# Altium PCB MCU063B_PCB.PcbDoc (part 7 of 9)
Units mil, origin at the board's own origin, x right, y up, seen from the top; angles counter-clockwise.
Board outline 4165.01 x 2371.03 mil, 10 copper layers (Top Layer, Internal Plane 2, Signal Layer 3, Signal Layer 4, Internal Plane 5, Internal Plane 6, Signal Layer 7, Signal Layer 8, Internal Plane 9, Bottom), stack 59.9 mil thick; 440 components, 394 nets, 1760 pads, 1251 vias.
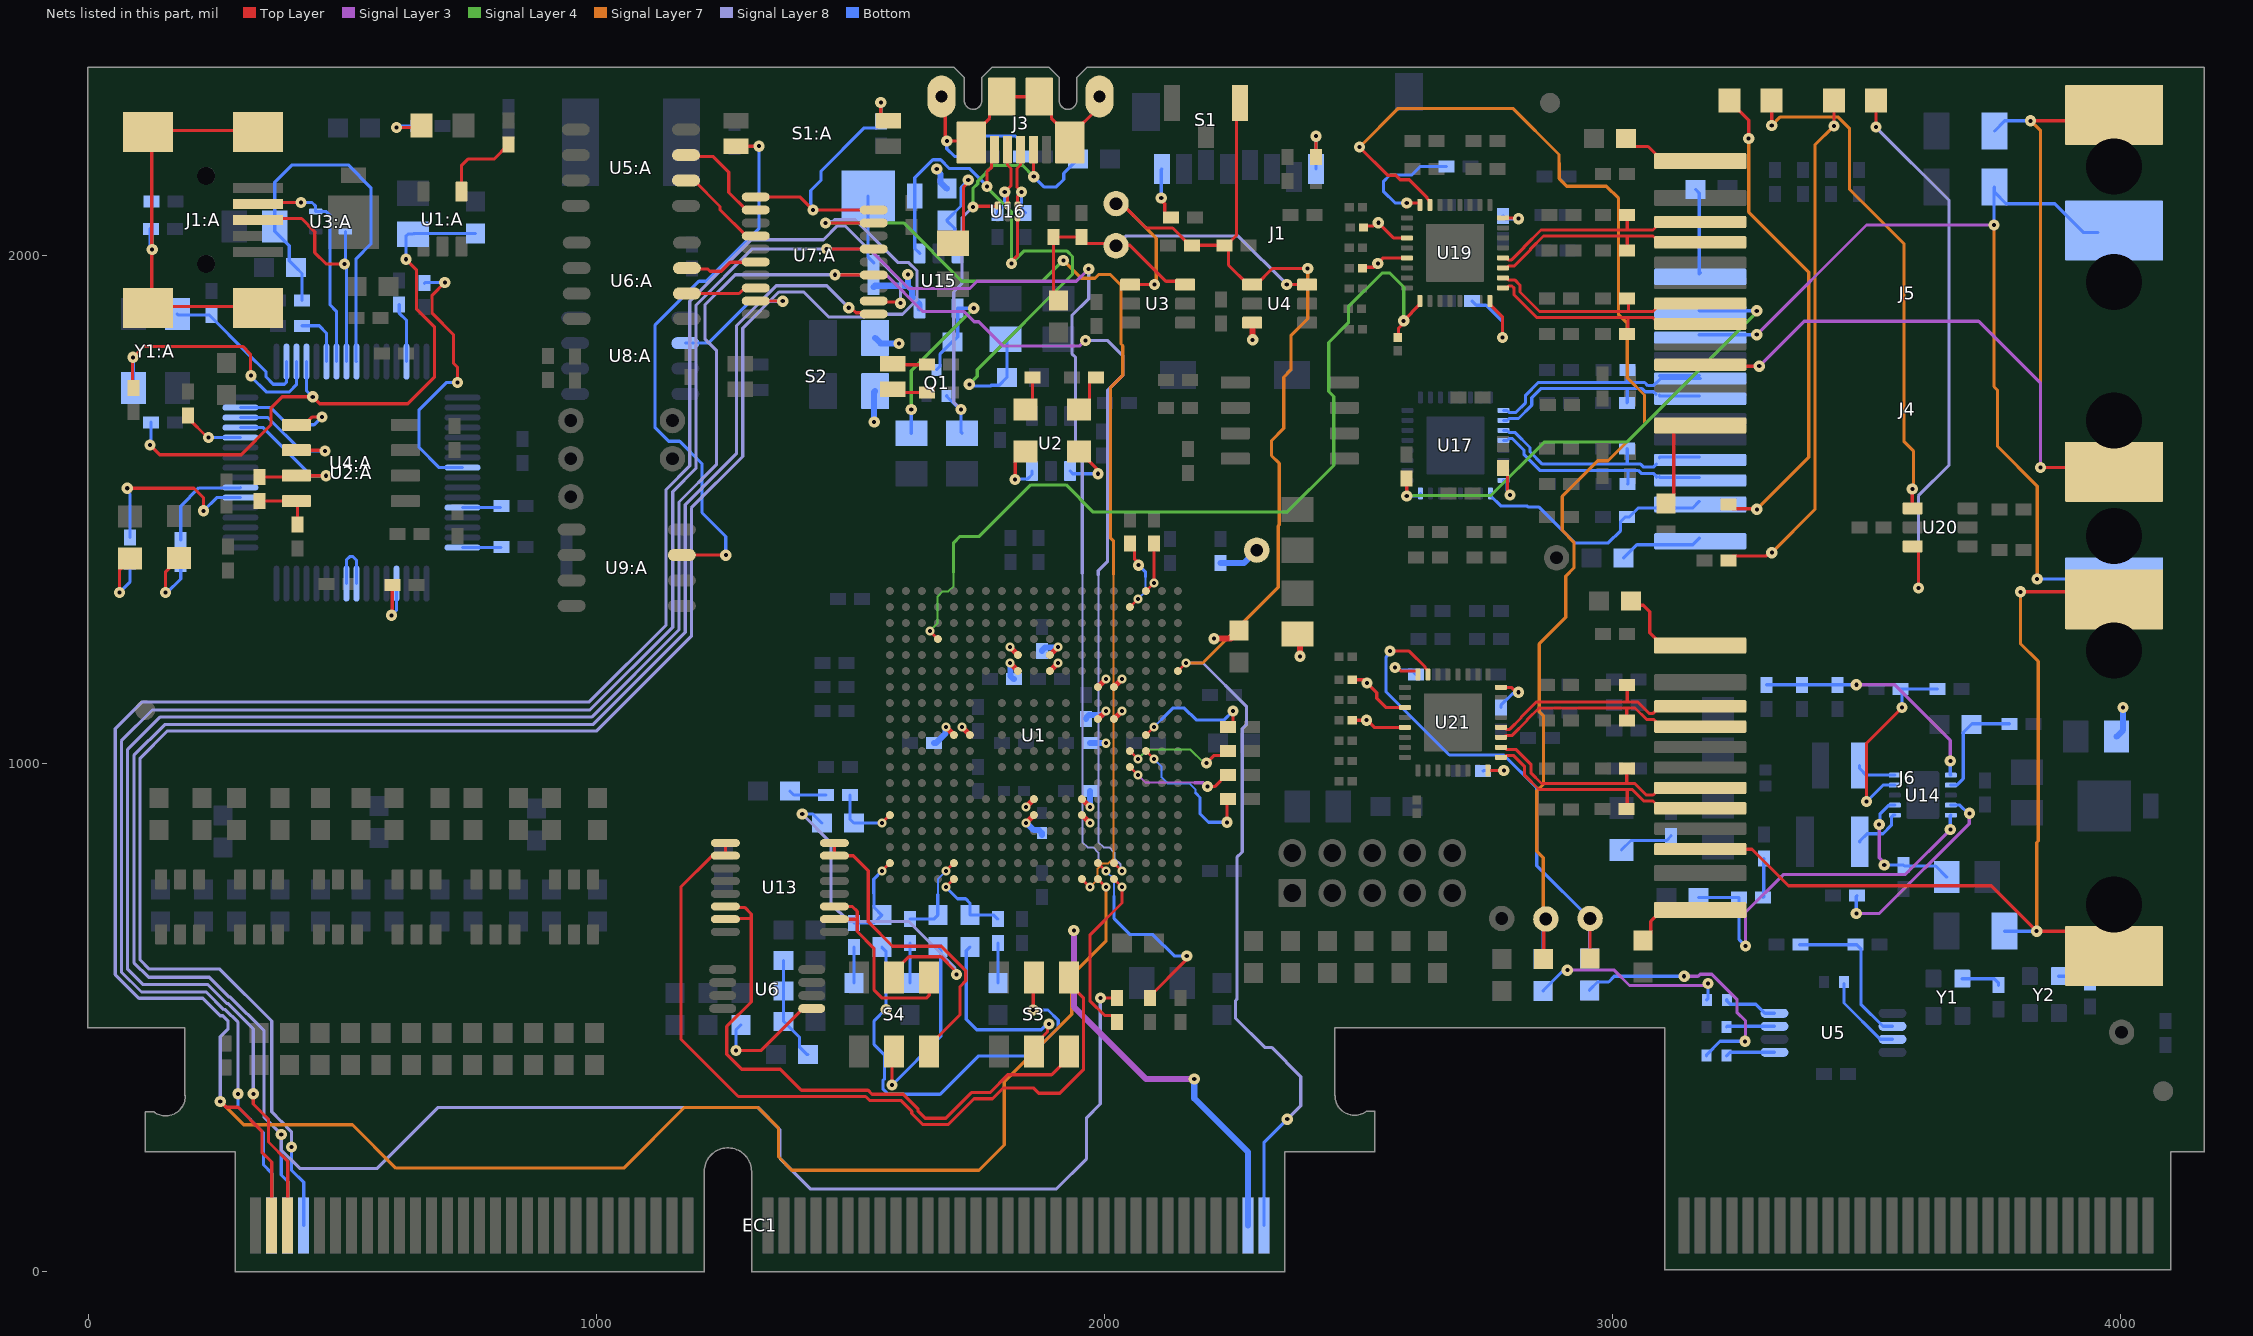
[diagram p15: the nets of this part, all layers, seen from the top]

## Via types
v1: diameter 22, hole 8, Top Layer to Bottom, tented both sides, 895 vias
v2: diameter 18, hole 8, Top Layer to Bottom, tented both sides, 334 vias
v3: diameter 19.68, hole 7.87, Top Layer to Bottom, tented both sides, 19 vias
v4: diameter 18, hole 7.87, Top Layer to Bottom, tented both sides, 1 vias
v5: diameter 18/18/18/18/18/18 (per signal layer), hole 8, Top Layer to Bottom, tented both sides, 1 vias
v6: diameter 22/22/22/22/22/22 (per signal layer), hole 8, Top Layer to Bottom, tented both sides, 1 vias

## Nets (pads, with @x,y where several pads share a name; then routed paths per layer and width w, separated by ;. In a path a pad name is that pad's centre, name@x,y a point inside that pad or via, vN(x,y) a via of type N, cw(c..) or ccw(c..) an arc to the next point about the centre after c; other vN are vias at no path point) (continued)
MCU_GPIO168: R135.2 U1.D4 U19.1 | length 1714.3
  Top Layer w6.25: v2(1656.7,1260.82) U1.D4@1672.44,1245.08 ; R135.2@2577.21,1838.3 2578.89,1839.99 2578.89,1856.73 2589.21,1867.05 2589.21,1871.72 2621.11,1903.62 U19.1@2621.11,1910.51
  Signal Layer 4 w4: v2(1656.7,1260.82) 1671.7,1275.82 1671.7,1328.53 1682.08,1338.92 1693.01,1338.92 1703.4,1349.31 1703.4,1376.04
  Signal Layer 4 w6.25: 1703.4,1376.04 1703.4,1434.4 1716,1447 1753.98,1447 1855.41,1548.44 1924.71,1548.44 1978.21,1494.94 2139.23,1494.94 2139.48,1495.19 2360.04,1495.19 2451.38,1586.53 2451.38,1722.37 2441.63,1732.12 2441.63,1828.57 2480.38,1867.32 2480.38,1899.12 2546.7,1965.44 2561.71,1965.44 2589.21,1937.94 v1(2589.21,1871.31)
MCU_TCK: EC1.5 U1.V15 U7:A.14 | length 5087.4
  Top Layer w6.25: v1(325.01,350) 325.01,330 355.01,300 355.01,255 392.72,217.29 EC1.5@392.72,91 ; v1(1470.01,1962) 1470.2,1961.81 1545.96,1961.81 U7:A.14@1546.15,1961.61 ; U1.V15@2018.9,804.13 v2(2034.65,788.38)
  Signal Layer 3 w6.25: v1(1470.01,1962) 1570.56,1962 1643.13,1889.44 1723.94,1889.44 1743.94,1869.44 1752.71,1869.44 1800.28,1821.88 1951.77,1821.88 1963.21,1833.31 v1(1963.21,1832.31)
  Signal Layer 8 w4: 1988.15,1371 1988.15,845.16 1998.43,834.88 2009.36,834.88 2019.65,824.6 2019.65,813.67 2031.97,801.34 2031.97,791.06 v2(2034.65,788.38)
  Signal Layer 8 w6.25: v1(325.01,350) 325.01,477.79 274.86,527.94 272.26,527.94 234.88,565.31 107.21,565.31 77.71,594.81 77.71,1027.81 141.21,1091.31 990.88,1091.31 1162.83,1263.26 1162.83,1514.68 1236.91,1588.76 1236.91,1812.73 1213.88,1835.76 1213.88,1902.51 1273.38,1962 v1(1470.01,1962) ; v1(1963.21,1832.31) 2006.84,1832.31 2036.33,1802.82 2036.33,1763.96 2005.96,1733.58 2005.96,1397.06 1988.15,1379.26 1988.15,1371
MCU_TDI: EC1.8 U1.W13 U7:A.18 | length 5675.2
  Top Layer w6.25: v1(1450.99,2063.98) U7:A.18@1546.15,2063.98 ; U1.W13@1955.91,772.63 v2(1971.66,756.89)
  Signal Layer 4 w6.25: v1(1450.99,2063.98) 1604.91,2063.98 1719.7,1949.19 1878.08,1949.19 v1(1919.21,1990.31)
  Signal Layer 7 w4: v2(1971.66,756.89) 1986.66,771.89 1986.66,793.1 1996.94,803.38 2007.87,803.38 2018.15,813.67 2018.15,1372
  Signal Layer 7 w6.25: v1(1919.21,1990.31) 1954.33,1955.19 1981.53,1955.19 1988.78,1962.44 2011.71,1962.44 2032.75,1941.4 2032.75,1825.63 2036.33,1822.05 2036.33,1763.96 2011.88,1739.51 2011.88,1444 2018.15,1437.73 2018.15,1372
  Signal Layer 8 w6.25: v1(400.01,245) 400.01,275.63 379.73,295.91 379.61,295.91 361.21,314.31 361.21,493.31 259.21,595.31 120.21,595.31 102.21,613.31 102.21,1010.31 156.21,1064.31 1001.21,1064.31 1187.33,1250.44 1187.33,1503.2 1288.38,1604.25 1288.38,1857.01 1359.5,1928.13 1408.25,1928.13 1457.5,1878.88 1527.51,1878.88 1532.76,1884.13 1602.77,1884.13 1631.33,1912.69 1631.33,1969.82 1615.28,1985.88 1594.5,1985.88 1510,2070.38 1469.43,2070.38 1466.04,2066.99 1454,2066.99 v1(1450.99,2063.98)
  Bottom w6.25: v1@400.01,250 v1(400.01,245) 400.01,200 424.22,175.79 EC1.8@424.22,91
MCU_TDO: EC1.6 R15.1 U7:A.11 | length 5443.5
  Top Layer w6.25: v1(1497.01,1897) 1501.27,1897 1511.24,1887.04 1543.96,1887.04 U7:A.11@1546.15,1884.84 ; v1(1992.21,538.31) 2024.7,538.31 R15.1@2025.01,538.62
  Signal Layer 8 w6.25: v1(1497.01,1897) 1453.63,1940.38 1354.43,1940.38 1276.13,1862.08 1276.13,1610.66 1175.08,1509.61 1175.08,1258.19 993.46,1076.56 150.46,1076.56 89.96,1016.06 89.96,608.24 118.88,579.31 238.21,579.31 277.33,540.19 279.94,540.19 346.21,473.92 346.21,303.8 v1(380.01,270) 380.01,239.37 416.29,203.08 568.83,203.08 688.87,323.13 1317.52,323.13 1361.92,278.72 1361.92,222.49 1422.1,162.31 1904.92,162.31 1965.1,222.49 1965.1,303.09 1991.83,329.82 1991.83,537.94 v1(1992.21,538.31)
  Bottom w6.25: v1(380.01,270) 380.01,253.59 379.88,253.46 379.88,190.13 392.72,177.29 EC1.6@392.72,91
MCU_TMS: EC1.3 U1.W14 U7:A.12 | length 6016.4
  Top Layer w6.25: v1(260.01,335) 271.59,323.42 295.01,323.42 341.98,276.45 341.98,235 361.23,215.75 EC1.3@361.23,91 ; U7:A.12@1546.15,1910.43 1548.35,1908.24 1596.77,1908.24 v1(1599.01,1906) ; U1.W14@1987.4,772.63 v2(2003.15,756.89)
  Signal Layer 7 w6.25: v1(260.01,335) 305.88,289.12 520.25,289.12 605.69,203.69 1054.33,203.69 1173.77,323.13 1317.52,323.13 1358.81,281.83 1358.81,225.6 1384.79,199.63 1753.26,199.63 1802.87,249.23 1802.87,373.34 1935.91,506.39 1935.91,583 2003.15,650.24 v2(2003.15,756.89)
  Signal Layer 8 w6.25: v1(260.01,335) 260.01,462.48 275.33,477.8 275.33,492.82 264.71,503.44 260.08,503.44 225.46,538.06 99.81,538.06 53.21,584.66 53.21,1068.31 106.21,1121.31 986.23,1121.31 1137.21,1272.28 1137.21,1538.94 1184.13,1585.87 1184.13,1909.89 1305.17,2030.92 1447.3,2030.92 1474.5,2058.13 1489.52,2058.13 1599.01,1948.63 v1(1599.01,1906)
MCU_TRSTn: EC1.4 R16.2 U1.V14 U7:A.16 | length 5584.3
  Top Layer w6.25: v1(1453.21,2012.8) U7:A.16@1546.15,2012.8 ; U1.V14@1987.4,804.13 v2(2003.15,788.38) ; R16.2@2090.01,538.62 2090.01,542.56 2159.19,611.74 2159.19,618.3 v1(2162.21,621.31)
  Signal Layer 3 w6.25: v1(1453.21,2012.8) 1537.09,2012.8 1615.01,1934.88 1735.14,1934.88 1749.45,1949.19 1945.08,1949.19 v1(1969.21,1973.31)
  Signal Layer 8 w4: 1956.66,1373.86 1956.66,845.16 1966.94,834.88 1977.87,834.88 1988.15,824.6 1988.15,803.38 v2(2003.15,788.38)
  Signal Layer 8 w6.25: v1(295.01,350) 295.01,490.47 269.79,515.69 267.18,515.69 232.56,550.31 104.88,550.31 65.46,589.74 65.46,1044.56 126.21,1105.31 987.56,1105.31 1150.58,1268.34 1150.58,1534.99 1196.38,1580.79 1196.38,1902.33 1306.85,2012.8 v1(1453.21,2012.8) ; 1956.66,1373.86 1956.66,1617.48 1943.16,1630.98 1943.16,1799.81 1936.07,1806.89 1936.07,1881.69 1969.21,1914.82 v1(1969.21,1973.31)
  Bottom w4: v2(2003.15,788.38) 2019.21,772.33 2019.21,739.31
  Bottom w6.25: v1(295.01,350) 295.01,323.42 345.01,273.42 345.01,210 361.23,193.78 EC1.4@361.23,91 ; 2019.21,739.31 2019.21,694.79 2050.74,663.26 2095.26,663.26 2137.21,621.31 v1(2162.21,621.31)
MCU_XRSn: C3.1 EC1.120 R20.1 S1.1 TP2.1 U1.F19 U3.1 U4.1 | length 3201.7
  Top Layer w6.25: TP2.1@2034,2102 2081.94,2054.06 2134.25,2054.06 2168.32,2020 C3.1@2172.25,2020 R20.1@2236.39,2020 ; U3.1@2050.88,1942.4 2051.47,1943 v1(2099.01,1943) ; U1.F19@2144.88,1182.08 v2(2160.63,1197.83) ; S1.1@2266.94,2300 2260.13,2293.2 2260.13,2039.81 2240.32,2020 R20.1@2236.39,2020 ; v1(2400.21,1974.31) 2330.66,1974.31 2298.75,1942.4 U4.1@2290.88,1942.4 2283,1942.4 2244.33,1981.08 2244.33,2012.06 R20.1@2236.39,2020
  Signal Layer 7 w6.25: TP2.1@2034,2102 2102.13,2033.87 2102.13,1950.39 2099.01,1947.26 v1(2099.01,1943) ; v2(2160.63,1197.83) 2193.47,1197.83 2342.38,1346.74 2342.38,1467.81 2344.33,1469.75 2344.33,1590.82 2329.08,1606.07 2329.08,1635.55 2353.08,1659.55 2353.08,1760.57 2367.21,1774.69 2367.21,1842.31 2400.21,1875.31 v1(2400.21,1974.31)
  Signal Layer 8 w6.25: v2(2160.63,1197.83) 2194.17,1197.83 2280,1112 2280,1077 2271.58,1068.58 2271.58,825.97 2260.88,815.28 2260.88,535.83 2258.08,533.03 2258.08,498.8 2315.54,441.35 2329.13,441.35 2386.58,383.89 2386.58,326.57 v1(2360.01,300)
  Bottom w6.25: EC1.120@2313.98,91 2313.98,253.97 v1(2360.01,300)
MID_SCI-RX: S1:A.2 U9:A.7 | length 1100.1
  Top Layer w6.25: U9:A.7@1168.51,1410.32 1168.67,1410.16 1254.85,1410.16 v1(1255.01,1410) ; S1:A.2@1275.01,2215 v1(1320.01,2215)
  Bottom w6.25: v1(1255.01,1410) 1255.01,1446.88 1208.07,1493.82 1208.07,1590.2 1164.14,1634.13 1142.62,1634.13 1115.88,1660.87 1115.88,1863.21 1201.93,1949.26 1216.79,1949.26 1320.01,2052.48 v1(1320.01,2215)
MID_TCK: U6:A.7 U7:A.6 | length 145.5
  Top Layer w6.25: U6:A.7@1178.51,1975 1180.16,1973.35 1219.35,1973.35 1223.89,1968.81 1246.04,1968.81 1263.91,1986.69 1313.35,1986.69 U7:A.6@1313.87,1987.2
MID_TDI: U5:A.7 U7:A.2 | length 205.3
  Top Layer w6.25: U5:A.7@1176.68,2197.63 1179.29,2195.02 1229.62,2195.02 1260.92,2163.73 1260.92,2123.82 1295.17,2089.57 U7:A.2@1313.87,2089.57
MID_TDO: U7:A.9 U8:A.2 | length 279.2
  Top Layer w6.25: U7:A.9@1313.87,1910.43 1314.08,1910.22 1366.79,1910.22 v1(1367.01,1910)
  Bottom w6.25: U8:A.2@1175.34,1827.37 1220.74,1827.37 1303.38,1910 v1(1367.01,1910)
MID_TMS: U6:A.6 U7:A.8 | length 139.9
  Top Layer w6.25: U6:A.6@1178.51,1925 1178.63,1925.13 1281.17,1925.13 1292.06,1936.02 U7:A.8@1313.87,1936.02
MID_TRSTn: U5:A.6 U7:A.4 | length 187.4
  Top Layer w6.25: U5:A.6@1175.47,2147.63 1192.37,2147.63 1243.6,2096.41 1243.6,2089.96 1295.17,2038.39 U7:A.4@1313.87,2038.39
NetC4:A_2: C4:A.2 U1:A.4 | length 160.7
  Top Layer w6.2: U1:A.4@734.56,2125.74 734.56,2176.85 747.37,2189.67 798.84,2189.67 C4:A.2@827.16,2217.99
NetC5_1: C5.1 R26.1 R28.1 TP3.1 U3.6 U4.6 | length 853.1
  Top Layer w6.25: R28.1@1910.01,1911.5 1900.01,1921.5 R26.1@1900.01,2036.38 C5.1@1955.01,2036.38 1955.01,2032.44 1963.7,2023.76 2011.25,2023.76 2015.01,2020 2050.26,2020 2121.18,1949.08 2152.47,1949.08 U3.6@2159.14,1942.4 ; v1(2359.01,1943) 2398.54,1943 U4.6@2399.14,1942.4
  Signal Layer 8 w6.25: TP3.1@2023,2019 2042.13,2038.13 2263.88,2038.13 v1(2359.01,1943)
NetC11_1: C11.1 R47.2 R48.1 R49.1 | length 206
  Bottom w6.25: R49.1@1368.43,612.12 R47.2@1368.43,552.12 R48.1@1368.43,492.12 1369.41,492.12 1399.86,461.68 1399.86,442.7 1415.44,427.12 C11.1@1416.42,427.12
NetC13:A_1: C13:A.1 C14:A.2 L1:A.1 U2:A.4 | length 1221.5
  Top Layer w6.2: v1(121.96,1626.77) 140.99,1607.74 301.16,1607.74 359.64,1666.21 ; 381.96,1721.77 v1(441.96,1721.77) 455.54,1708.19 629,1708.19 681.96,1761.15 681.96,1858.77 645.92,1894.81 645.92,1971.97 v1(625.4,1992.49)
  Top Layer w6.25: 359.64,1666.21 359.64,1699.44 381.96,1721.77
  Bottom w6.25: v1(121.96,1626.77) 123.54,1628.34 C14:A.2@123.54,1671.61 ; U2:A.4@429.6,1791.14 429.6,1734.13 v1(441.96,1721.77) ; v1(625.4,1992.49) 625.4,2037.99 629.47,2042.06 L1:A.1@639.53,2042.06 640.39,2042.92 C13:A.1@762.5,2042.92
NetC15:A_1: C15:A.1 C16:A.2 L2:A.1 U2:A.9 | length 831.4
  Bottom w6.25: C16:A.2@420.78,1911.61 420.78,1964.48 C15:A.1@408.65,1976.61 395.81,1989.45 395.81,2019.06 367.16,2047.72 367.16,2144.05 401.29,2178.18 511.89,2178.18 556.48,2133.6 556.48,2022.58 527.27,1993.37 527.27,1791.89 U2:A.9@528.02,1791.14
NetC15_1: C15.1 U6.5 | length 238
  Top Layer w6.25: v1(1275.01,435) 1323.59,435 1406.3,517.71 U6.5@1424.02,517.71
  Bottom w6.25: v1(1275.01,435) 1275.01,475.71 C15.1@1284.92,485.63
NetC17:A_2: C17:A.2 J1:A.6 J1:A.7 J1:A.8 J1:A.9 R11:A.1 | length 872.3
  Top Layer w6.25: J1:A.7@341.82,1899.41 125.29,1899.41 125.29,2011.06 v1(125.97,2011.75) 125.29,2012.43 125.29,2245.86 J1:A.6@341.82,2245.86
  Bottom w6.25: R11:A.1@123.54,2051.61 124.46,2052.54 C17:A.2@124.46,2106.02
  Bottom w10: v1@123.54,2014.18 R11:A.1@123.54,2051.61
NetC18:A_2: C18:A.2 U2:A.2 Y1:A.1 | length 320
  Bottom w6.25: Y1:A.1@175.46,1884.44 176.92,1882.99 237.74,1882.99 313.96,1806.77 350.21,1770.52 350.21,1760.69 364.32,1746.58 386.47,1746.58 390.23,1750.33 U2:A.2@390.23,1791.14
NetC19:A_2: C19:A.2 U2:A.3 Y1:A.3 | length 574
  Top Layer w6: v1@319.21,1764.31 v1(320.21,1763.31)
  Top Layer w6.2: C19:A.2@87.16,1730.23 v1@87.16,1798.58 ; v1@88.85,1798.84 v1(88.14,1799.56) 109.55,1820.97 304,1820.97 319.21,1805.76 v1@319.21,1764.31
  Bottom w6: Y1:A.3@88.85,1738.77 v1@88.85,1798.84
  Bottom w6.25: v1(320.21,1763.31) 320.21,1761.64 350.37,1731.47 396.21,1731.47 409.91,1745.18 U2:A.3@409.91,1791.14
NetC28_1: C28.1 R77.2 | length 70.9
  Bottom w6.25: C28.1@1507.09,567.91 R77.2@1507.09,638.78
NetC29_1: C29.1 R78.2 | length 78.7
  Bottom w6.25: C29.1@1790.55,567.91 R78.2@1790.55,646.65
NetC30_1: C30.1 R79.2 | length 74.1
  Bottom w6.25: C30.1@1381.1,945.86 1388.98,937.99 R79.2@1451.97,937.99
NetC31_1: C31.1 R80.2 | length 78.7
  Bottom w6.25: C31.1@1617.33,567.91 R80.2@1617.33,646.65
NetC48_1: C48.1 R84.1 U14.9 | length 394.2
  Top Layer w6.25: v1(3500.01,925) 3500.01,1040 v1(3570.01,1110)
  Bottom w6.25: v1(3500.01,925) 3532.46,957.45 U14.9@3555.71,957.45 ; v1(3570.01,1110) 3570.01,1142.91 C48.1@3566.54,1146.38 R84.1@3639.77,1146.38
NetC49_2: C49.2 R85.2 U14.7 | length 274.4
  Signal Layer 3 w6.25: v1(3525.01,880) 3525.01,814.26 3535.01,804.26 v1(3535.01,800)
  Bottom w6.25: v1(3525.01,880) 3526.41,881.4 3526.41,900.38 3544.12,918.08 U14.7@3555.71,918.08 ; v1(3535.01,800) C49.2@3572.92,800.01 3574.66,798.26 3636.04,798.26 R85.2@3657.92,776.38
NetC50_2: C50.2 R89.1 R92.2 U14.1 | length 476.3
  Signal Layer 3 w6.25: v1(3480.01,1155) 3555.64,1155 3665.01,1045.63 v1(3665.01,1005)
  Bottom w6.25: C50.2@3302.92,1155.01 R89.1@3372.92,1155.01 R92.2@3442.92,1155.01 v1(3480.01,1155) ; v1(3665.01,1005) 3665.01,978.07 U14.1@3665.94,977.14
NetC83_1: C83.1 D6.2 J3.1 R98.2 U15.1 U16.6 | length 1293.6
  Top Layer w6.25: v1(1768.88,2135.88) 1768.88,2164.51 1778.04,2173.66 1778.04,2202.02 J3.1@1783.77,2207.75 ; v1(1817.01,1984) 1817.01,1988.07 1829.38,2000.44 U16.6@1829.38,2075
  Signal Layer 4 w6.25: v1(1734.21,1746.31) 1749.88,1761.99 1749.88,1775.24 1937.33,1962.69 1937.33,1997.82 1926.71,2008.44 1841.45,2008.44 v1(1817.01,1984) 1817.01,2086.37 1768.88,2134.49 v1(1768.88,2135.88)
  Bottom w6.25: U15.1@1636.56,2004.13 1627,2013.7 D6.2@1627,2117 1627,2152.85 1662.59,2188.44 1677.71,2188.44 1695.3,2170.85 1735.3,2170.85 1768.88,2137.27 v1(1768.88,2135.88) ; v1@1741.91,1742.88 1775.52,1742.88 1777.07,1744.42 1792.94,1744.42 C83.1@1808.51,1760 R98.2@1808.51,1831.5
NetC86_2: C86.2 J3.6 J3.7 J3.8 J3.9 J3.10 J3.11 R106.1 | length 796.1
  Top Layer w6.25: J3.10@1679.44,2312.48 1686.96,2304.96 1686.96,2224.05 v1@1687.99,2223.02 ; v1(1689.97,2225) 1734.93,2225 1738.01,2221.93 1738.01,2234.23 1774.1,2270.33 1774.1,2288.54 1798.05,2312.48 1848.15,2312.48 J3.8@1860.01,2300.62 ; J3.8@1871.86,2312.48 J3.8@1860.01,2300.62 ; J3.6@1931.9,2221.93 J3.6@1931.9,2234.23 ; J3.7@1990.47,2312.48 1990.47,2292.79 J3.6@1931.9,2234.23 ; J3.8@1860.01,2300.62 1873.38,2300.62 1895.81,2278.2 1895.81,2270.33 J3.6@1931.9,2234.23
  Bottom w6.25: v1(1689.97,2225) 1689.97,2210.03 1705,2195 R106.1@1731.38,2195 1735,2198.62 1735,2230 1740,2235 1825,2235 1836.38,2223.62 C86.2@1836.38,2195
NetC103_2: C103.2 J4.10 J4.13 J4.14 | length 1843.4
  Signal Layer 3 w6.25: v1(3284.01,1844) 3500.01,2060 v1(3751.01,2060)
  Signal Layer 7 w6.25: v1(3751.01,2060) 3751.01,1741.83 3757.96,1734.89 3757.96,1624.1 3836.01,1546.04 v1(3836.01,1363)
  Bottom w6.25: J4.10@3170.84,1844.18 3171.02,1844 v1(3284.01,1844) ; v1(3751.01,2060) 3751.01,2133.91 C103.2@3752.1,2135 3752.1,2124.17 3774.56,2101.71 3870.79,2101.71 3927.53,2044.97 J4.14@3955.09,2044.97 ; v1(3836.01,1363) 3954.38,1363 J4.13@3955.09,1362.29
NetC121_2: C121.2 J5.10 J5.13 J5.14 | length 1940.1
  Top Layer w6.25: J5.10@3170.84,1783.15 3171.98,1782 v1(3289.01,1782) ; v1(3823.01,2265) 3955.05,2265 J5.13@3955.09,2265.04 ; v1(3842.65,1582.36) J5.14@3955.09,1582.36
  Signal Layer 3 w6.25: v1(3289.01,1782) 3377.45,1870.44 3720.71,1870.44 3842.65,1748.5 v1(3842.65,1582.36)
  Signal Layer 7 w6.25: v1(3823.01,2265) 3842.65,2245.36 v1(3842.65,1582.36)
  Bottom w6.25: C121.2@3752.1,2245 3772.1,2265 v1(3823.01,2265)
NetC139_2: C139.2 J6.10 J6.13 J6.14 | length 1759.4
  Top Layer w6.25: J6.10@3172.89,831.2 3274.67,831.2 3346.59,759.29 3745.72,759.29 v1(3835.01,670) 3940.8,670 J6.14@3957.14,653.65 ; v1(3803.01,1338) 3955.47,1338 J6.13@3957.14,1336.33
  Signal Layer 7 w6.25: v1(3803.01,1338) 3803.01,1236.14 3838.13,1201.02 3838.13,847.49 3835.01,844.37 v1(3835.01,670)
  Bottom w6.25: C139.2@3772.1,670 v1(3835.01,670)
NetD1_1: D1.1 U2.6 | length 109.2
  Top Layer w6.25: v1(1824.01,1559) 1824.51,1559.5 1824.51,1595.13 1843.04,1613.66 D1.1@1845.01,1613.66
  Bottom w6.25: v1(1824.01,1559) 1825.17,1560.16 1848.92,1560.16 1857.61,1568.84 U2.6@1857.61,1575.87
NetD1_2: D1.2 R9.2 | length 69.3
  Top Layer w6.25: D1.2@1845.01,1696.34 1858.63,1709.96 R9.2@1858.63,1760
NetD2:A_2: D2:A.2 R1:A.2 | length 94.8
  Top Layer w6.2: v1(606.96,2251.77) 652.64,2251.77 D2:A.2@656.2,2255.33
  Bottom w6.25: v1(606.96,2251.77) 609.87,2254.68 R1:A.2@649.81,2254.68
NetD2_1: D2.1 U2.4 | length 117
  Top Layer w6.25: D2.1@1950.01,1613.66 1951.98,1613.66 1984.19,1581.45 1984.19,1573.33 v1(1987.21,1570.31)
  Bottom w6.25: U2.4@1932.41,1575.87 1937.97,1570.31 v1(1987.21,1570.31)
NetD2_2: D2.2 R10.2 | length 81
  Top Layer w6.25: D2.2@1950.01,1696.34 1951.98,1696.34 1970.51,1714.87 1970.51,1750.81 1979.69,1760 R10.2@1983.63,1760
NetD3:A_1: D3:A.1 R6:A.2 | length 149.9
  Top Layer w6.25: v1(61.96,1336.77) 61.96,1381.77 D3:A.1@86.96,1406.77
  Bottom w6.25: v1(61.96,1336.77) 82.16,1356.96 R6:A.2@82.16,1397.99
NetD4:A_1: D4:A.1 R7:A.2 | length 153.6
  Top Layer w6.25: v1(151.96,1336.77) 151.96,1376.77 175.17,1399.98 D4:A.1@182.16,1392.99
  Bottom w6.25: v1(151.96,1336.77) 155.72,1336.77 182.16,1363.2 R7:A.2@182.16,1392.99
NetD5_2: D5.2 R87.1 | length 109.1
  Bottom w6.25: D5.2@3017.92,830.04 3036.45,848.57 3106.55,848.57 3115.24,857.26 R87.1@3115.24,857.76
NetD6_1: D6.1 R102.2 | length 136.4
  Bottom w6.25: D6.1@1535,2117 1535,1996.39 R102.2@1546.15,1985.24
NetD7_1: D7.1 U20.6 | length 1133
  Top Layer w6.25: v1(3518.55,2252.65) D7.1@3518.55,2305.31 ; U20.6@3590.88,1427.6 3593.52,1427.6 3602.21,1418.91 v1(3602.21,1345.31)
  Signal Layer 8 w6.25: v1(3518.55,2252.65) 3662.33,2108.86 3662.33,1586.8 3602.21,1526.68 v1(3602.21,1345.31)
NetD7_2: D7.2 R141.1 | length 1032.2
  Top Layer w6.25: R141.1@3228.63,1400 3237.32,1408.69 3303.09,1408.69 3309.41,1415 v1(3313.67,1415) ; v1(3435.87,2254.65) D7.2@3435.87,2305.31
  Signal Layer 7 w6.25: v1(3313.67,1415) 3398.58,1499.91 3398.58,2217.36 v1(3435.87,2254.65)
NetD8_1: D8.1 U20.4 | length 1019.8
  Top Layer w6.25: v1(3313.55,2255.65) D8.1@3313.55,2305.31 ; v1(3590.21,1540.31) 3590.21,1503.07 U20.4@3590.88,1502.4
  Signal Layer 7 w6.25: v1(3313.55,2255.65) 3330.67,2272.78 3443.38,2272.78 3466.88,2249.27 3466.88,2129.76 3574.08,2022.56 3574.08,1633.48 3592.33,1615.23 3592.33,1542.44 v1(3590.21,1540.31)
NetD8_2: D8.2 R142.2 | length 971.3
  Top Layer w6.25: R142.2@3228.63,1510 3237.32,1501.31 3283.2,1501.31 v1(3284.21,1500.31) ; D8.2@3230.87,2305.31 3230.87,2303.34 3268.21,2266 v1(3268.21,2230.31)
  Signal Layer 7 w6.25: v1(3268.21,2230.31) 3268.21,2085.31 3386.33,1967.19 3386.33,1602.44 v1(3284.21,1500.31)
NetJ1:A_2: J1:A.2 U2:A.7 U3:A.5 | length 444.4
  Top Layer w6.2: J1:A.2@341.82,2104.13 v1(418.68,2104.13) v1@418.95,2104.41
  Bottom w6.25: v1(418.68,2104.13) 440.5,2104.13 447.63,2097 447.63,2086.3 468.82,2086.3 476.07,2079.04 476.07,1902.66 488.65,1890.08 U2:A.7@488.65,1791.14
NetJ1:A_3: J1:A.3 U2:A.8 U3:A.3 | length 482.2
  Top Layer w6.2: J1:A.3@341.82,2072.63 420.18,2072.63 445.89,2046.93 445.89,2005.47 468.05,1983.31 v1(504.21,1983.31)
  Bottom w6.25: U3:A.3@506.69,2046.93 506.69,1985.79 v1(504.21,1983.31) 508.34,1979.18 U2:A.8@508.34,1791.14
NetJ1_1: J1.1 R14.1 | length 105.2
  Top Layer w6.25: R14.1@2416.26,2193.93 v1(2416.26,2234.75)
  Bottom w6.25: J1.1@2416.26,2170.31 v1(2416.26,2234.75)